# KiCad board panel.kicad_pcb (continued)
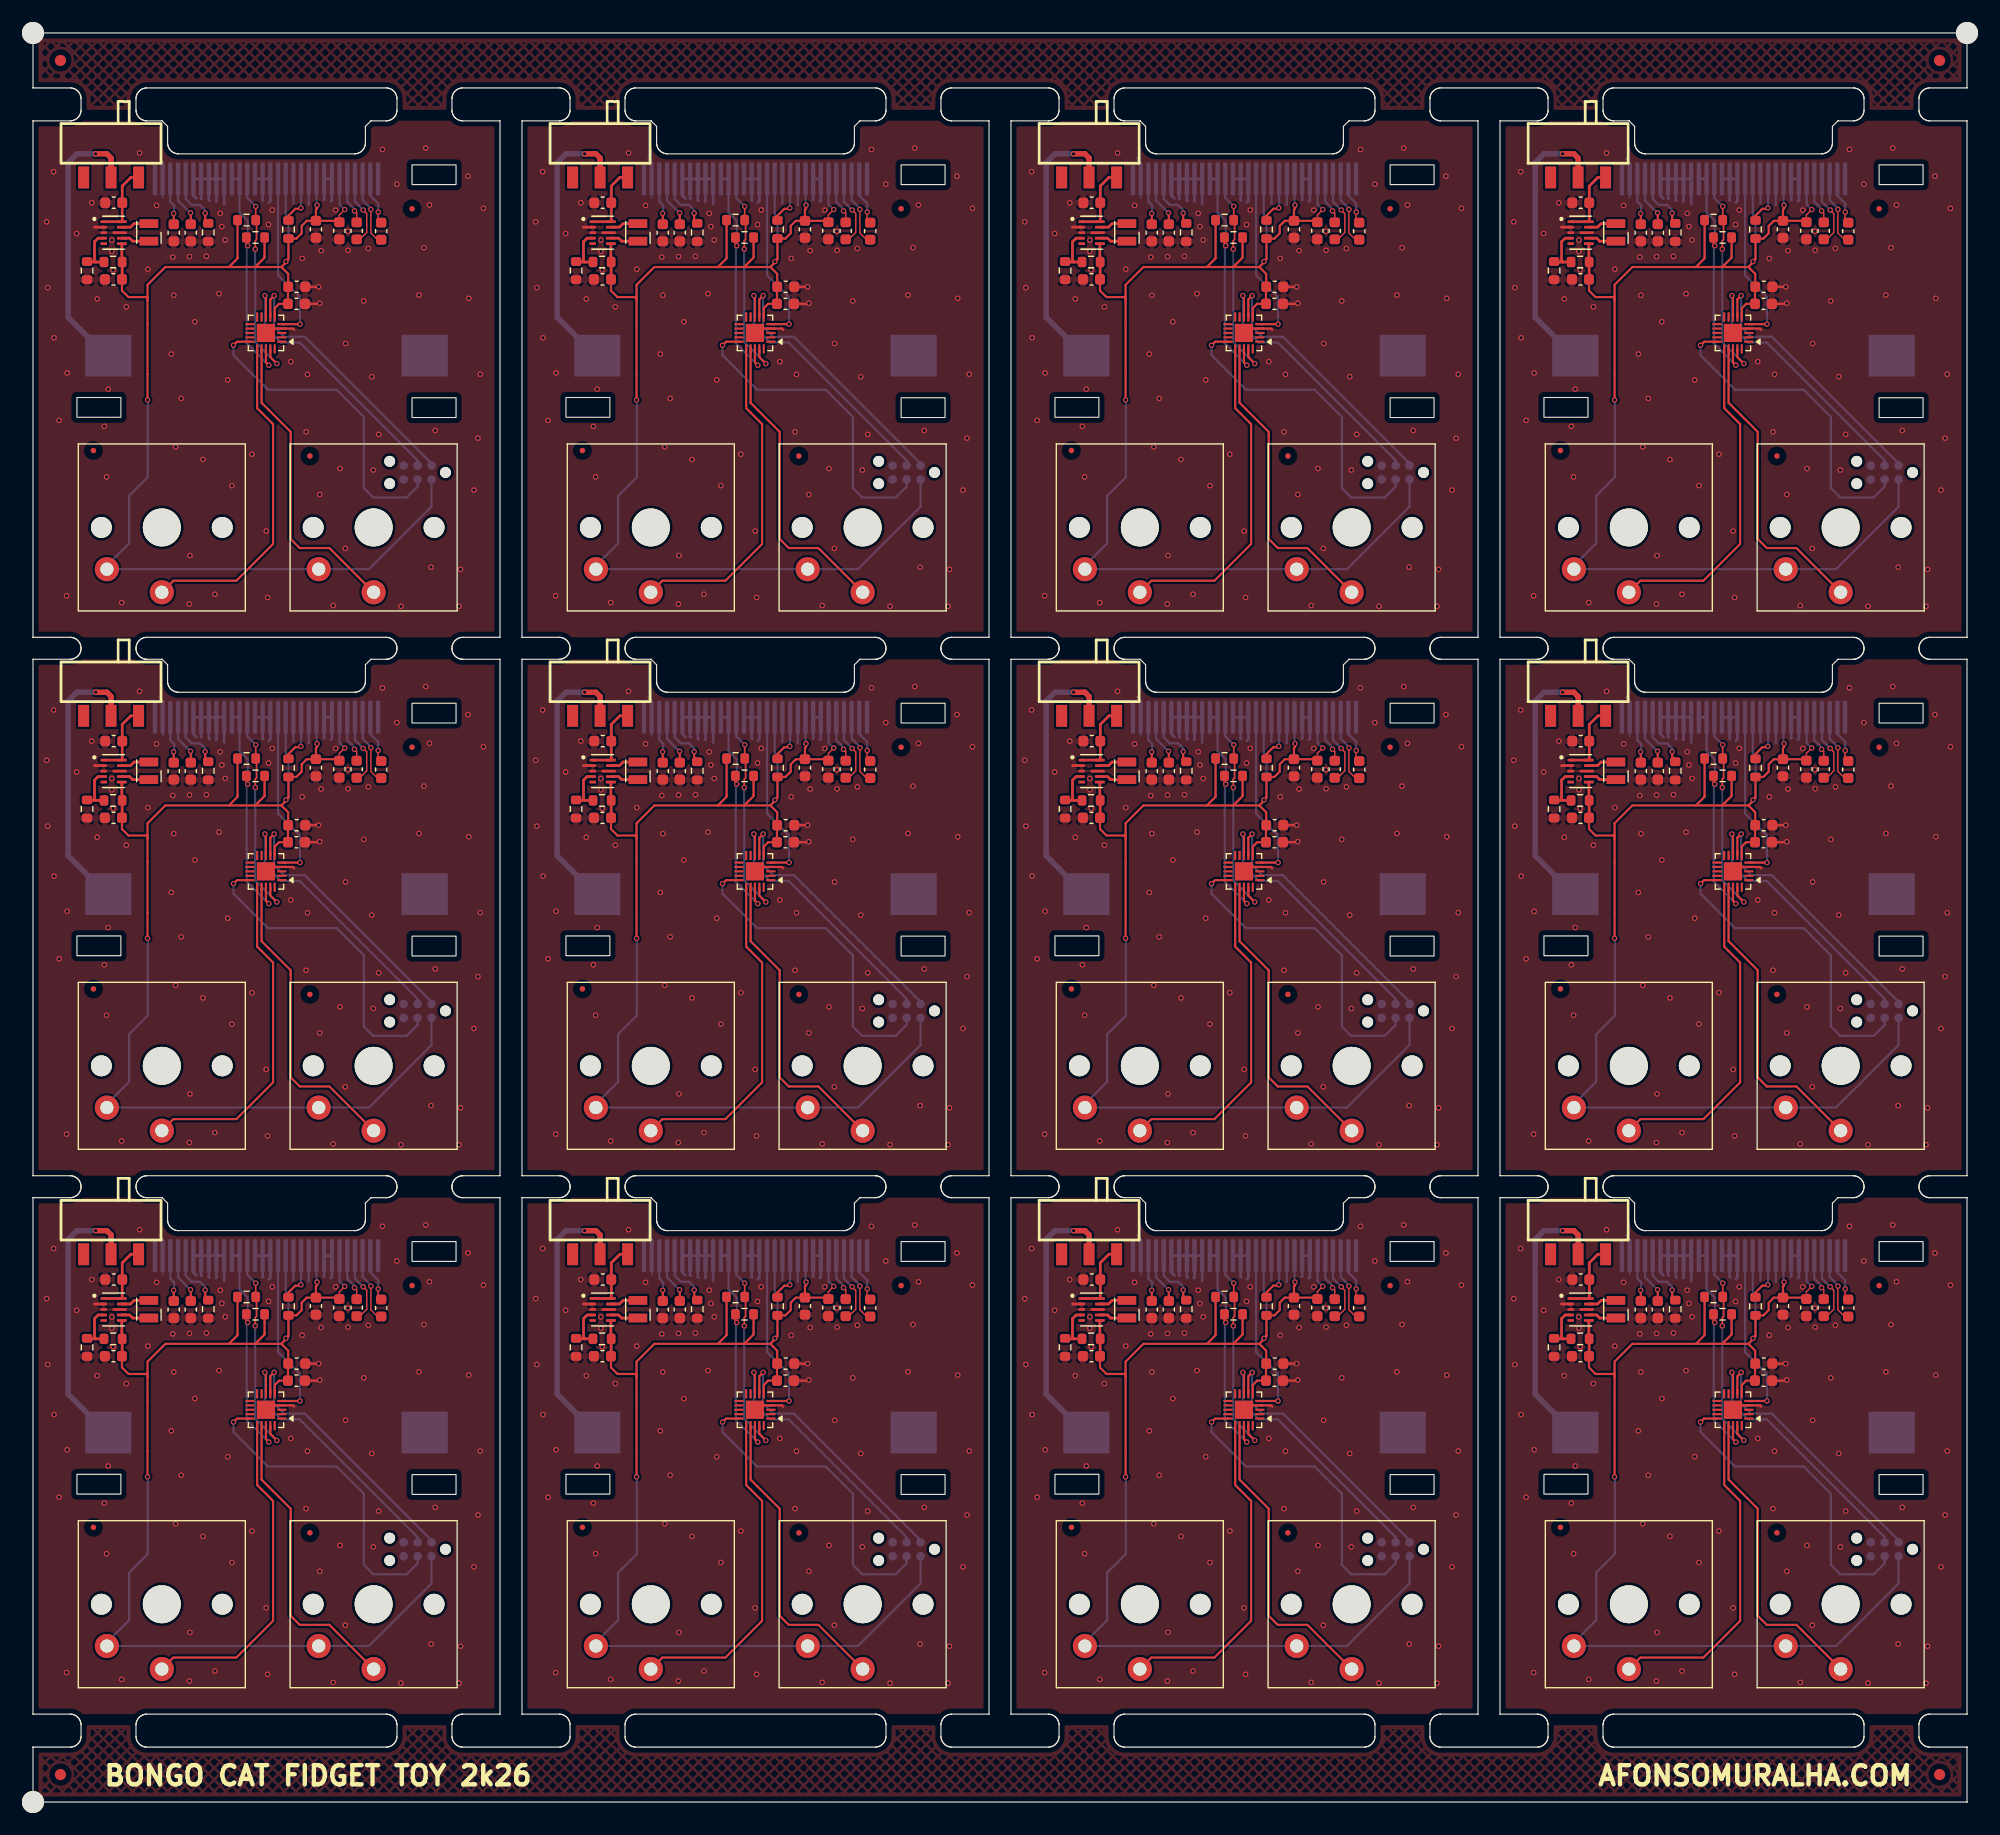
[diagram p0: board, top side]
## Placement (name value [footprint] x y rotation side) (continued)
SW2#4  SW_Push  [SW_Kailh_Choc_V1_1.00u]  75.5 18 180 top
SW2#5  SW_Push  [SW_Kailh_Choc_V1_1.00u]  120 116 180 top
SW2#6  SW_Push  [SW_Kailh_Choc_V1_1.00u]  120 67 180 top
SW2#7  SW_Push  [SW_Kailh_Choc_V1_1.00u]  75.5 116 180 top
SW2#8  SW_Push  [SW_Kailh_Choc_V1_1.00u]  31 67 180 top
SW2#9  SW_Push  [SW_Kailh_Choc_V1_1.00u]  164.5 116 180 top
SW2#10  SW_Push  [SW_Kailh_Choc_V1_1.00u]  31 116 180 top
SW2#11  SW_Push  [SW_Kailh_Choc_V1_1.00u]  120 18 180 top
SW2#12  SW_Push  [SW_Kailh_Choc_V1_1.00u]  164.5 18 180 top
SW5  SW_SPDT_321  [SW-SMD_SK-3245S-L1-A-1]  51.61 147.85 0 top
SW5#2  SW_SPDT_321  [SW-SMD_SK-3245S-L1-A-1]  96.11 49.85 0 top
SW5#3  SW_SPDT_321  [SW-SMD_SK-3245S-L1-A-1]  51.61 49.85 0 top
SW5#4  SW_SPDT_321  [SW-SMD_SK-3245S-L1-A-1]  7.11 49.85 0 top
SW5#5  SW_SPDT_321  [SW-SMD_SK-3245S-L1-A-1]  140.61 147.85 0 top
SW5#6  SW_SPDT_321  [SW-SMD_SK-3245S-L1-A-1]  96.11 98.85 0 top
SW5#7  SW_SPDT_321  [SW-SMD_SK-3245S-L1-A-1]  140.61 49.85 0 top
SW5#8  SW_SPDT_321  [SW-SMD_SK-3245S-L1-A-1]  51.61 98.85 0 top
SW5#9  SW_SPDT_321  [SW-SMD_SK-3245S-L1-A-1]  7.11 147.85 0 top
SW5#10  SW_SPDT_321  [SW-SMD_SK-3245S-L1-A-1]  140.61 98.85 0 top
SW5#11  SW_SPDT_321  [SW-SMD_SK-3245S-L1-A-1]  7.11 98.85 0 top
SW5#12  SW_SPDT_321  [SW-SMD_SK-3245S-L1-A-1]  96.11 147.85 0 top
U2  PY32F003F1xU  [QFN-20-1EP_3x3mm_P0.4mm_EP1.65x1.65mm]  154.7 84.7 180 top
U2#2  PY32F003F1xU  [QFN-20-1EP_3x3mm_P0.4mm_EP1.65x1.65mm]  110.2 35.7 180 top
U2#3  PY32F003F1xU  [QFN-20-1EP_3x3mm_P0.4mm_EP1.65x1.65mm]  21.2 84.7 180 top
U2#4  PY32F003F1xU  [QFN-20-1EP_3x3mm_P0.4mm_EP1.65x1.65mm]  110.2 133.7 180 top
U2#5  PY32F003F1xU  [QFN-20-1EP_3x3mm_P0.4mm_EP1.65x1.65mm]  21.2 133.7 180 top
U2#6  PY32F003F1xU  [QFN-20-1EP_3x3mm_P0.4mm_EP1.65x1.65mm]  21.2 35.7 180 top
U2#7  PY32F003F1xU  [QFN-20-1EP_3x3mm_P0.4mm_EP1.65x1.65mm]  110.2 84.7 180 top
U2#8  PY32F003F1xU  [QFN-20-1EP_3x3mm_P0.4mm_EP1.65x1.65mm]  65.7 133.7 180 top
U2#9  PY32F003F1xU  [QFN-20-1EP_3x3mm_P0.4mm_EP1.65x1.65mm]  154.7 133.7 180 top
U2#10  PY32F003F1xU  [QFN-20-1EP_3x3mm_P0.4mm_EP1.65x1.65mm]  154.7 35.7 180 top
U2#11  PY32F003F1xU  [QFN-20-1EP_3x3mm_P0.4mm_EP1.65x1.65mm]  65.7 35.7 180 top
U2#12  PY32F003F1xU  [QFN-20-1EP_3x3mm_P0.4mm_EP1.65x1.65mm]  65.7 84.7 180 top
U101  TPS63802DLAR  [VREG_TPS63802DLAR]  96.34 93.83 0 top
U101#2  TPS63802DLAR  [VREG_TPS63802DLAR]  51.84 44.83 0 top
U101#3  TPS63802DLAR  [VREG_TPS63802DLAR]  7.34 93.83 0 top
U101#4  TPS63802DLAR  [VREG_TPS63802DLAR]  51.84 142.83 0 top
U101#5  TPS63802DLAR  [VREG_TPS63802DLAR]  96.34 142.83 0 top
U101#6  TPS63802DLAR  [VREG_TPS63802DLAR]  51.84 93.83 0 top
U101#7  TPS63802DLAR  [VREG_TPS63802DLAR]  96.34 44.83 0 top
U101#8  TPS63802DLAR  [VREG_TPS63802DLAR]  140.84 142.83 0 top
U101#9  TPS63802DLAR  [VREG_TPS63802DLAR]  7.34 44.83 0 top
U101#10  TPS63802DLAR  [VREG_TPS63802DLAR]  140.84 44.83 0 top
U101#11  TPS63802DLAR  [VREG_TPS63802DLAR]  140.84 93.83 0 top
U101#12  TPS63802DLAR  [VREG_TPS63802DLAR]  7.34 142.83 0 top

## Library data of the parts
BT1 BT1#2-BT1#12 = -: Description: Multiple-cell battery; LCSC: C70377
C1 C1#2-C1#12 C2 C2#2-C2#12 = -: KiLib_Generator: SMD_2terminal_chip_molded; LCSC: C59461; ki_fp_filters: C_*
C3 C3#2-C3#12 = -: KiLib_Generator: C30926; ki_fp_filters: C_*
C4 C4#2-C4#12 C12 C12#2-C12#12 = -: KiLib_Generator: SMD_2terminal_chip_molded; LCSC: C1705; ki_fp_filters: C_*
C8 C8#2-C8#12 C9 C9#2-C9#12 C10 C10#2-C10#12 C11 C11#2-C11#12 C13 C13#2-C13#12 = -: KiLib_Generator: C23630; ki_fp_filters: C_*
FID1 FID1#2-FID1#12 FID2 FID2#2-FID2#12 FID3 FID3#2-FID3#12 = -: Description: Fiducial Marker; KiLib_Generator: fiducial; ki_fp_filters: Fiducial*
J1 J1#2-J1#12 = -: ki_fp_filters: Connector*:*_1x??_*
J4 J4#2-J4#12 = -: Datasheet: https://www.tag-connect.com/wp-content/uploads/bsk-pdf-manager/TC2030-CTX_1.pdf; Description: Tag-Connect ARM Cortex SWD JTAG connector, 6 pin, no legs; ki_fp_filters: *TC2030*
L102 L102#2-L102#12 = -: Description: Inductor; LCSC: C89446; ki_fp_filters: Choke_* *Coil* Inductor_* L_*
R4 R4#2-R4#12 R101 R101#2-R101#12 = -: Description: Resistor, small US symbol; KiLib_Generator: C326721; ki_fp_filters: R_*
R6 R6#2-R6#12 = -: Description: Resistor, small US symbol; KiLib_Generator: C2684557; ki_fp_filters: R_*
R11 R11#2-R11#12 = -: Description: Resistor, small US symbol; KiLib_Generator: C23150; ki_fp_filters: R_*
R12 R12#2-R12#12 R13 R13#2-R13#12 = -: Description: Resistor, small US symbol; KiLib_Generator: C23162; ki_fp_filters: R_*
SW1 SW1#2-SW1#12 SW2 SW2#2-SW2#12 = -: Description: Push button switch, generic, two pins
SW5 SW5#2-SW5#12 = -: Description: Switch, single pole double throw; LCSC: C405951
U2 U2#2-U2#12 = -: Description: Puya PY32 F003 ARM Cortex-M0+ MCU 32MHZ 8K+64K 1.7V-5.5V QFN20; KiLib_Generator: package/no_lead; LCSC: C3018714
U101 U101#2-U101#12 = -: MF: Texas Instruments; MAXIMUM_PACKAGE_HEIGHT: 1.0 mm; Package: VSON-HR-10 Texas Instruments; Price: None; Check_prices: https://www.snapeda.com/parts/TPS63802DLAR/Texas+Instruments/view-part/?ref=eda; STANDARD: Manufacturer Recommendations; PARTREV: B; SnapEDA_Link: https://www.snapeda.com/parts/TPS63802DLAR/Texas+Instruments/view-part/?ref=snap; Purchase-URL: https://www.snapeda.com/api/url_track_click_mouser/?unipart_id=4449206&manufacturer=Texas Instruments&part_name=TPS63802DLAR&search_term=tps63802; Description_1: 2-A, high-efficient, 11-µA quiescent current buck-boost converter in QFN/DFN package; Availability: In Stock; MANUFACTURER: Texas Instruments; LCSC: C2845237

## Footprints (pads in the part's own frame, mm; a bottom-side part is the same pattern mirrored in y, then rotated)
BAT-TH_CR2032-BS-6-1
  rect 4.2x3.8 smd: 1(14.39,0) 2(-14.39,0)
C_0603_1608Metric
  rrect 0.9x0.95 smd: 1(-0.775,0) 2(0.775,0)
Fiducial
  round 1 smd: (0,0)
Fiducial_0.5mm_Mask1.5mm
  round 0.5 smd: (0,0)
L_Wurth_WE-LQSH-2010
  rect 0.8x1.7 smd: 1(-0.8,0) 2(0.8,0)
NPTH
  round 2 hole 2 unplated: (0,0)
QFN-20-1EP_3x3mm_P0.4mm_EP1.65x1.65mm
  rrect 0.67x0.67 smd: (-0.41,0.41) (-0.41,-0.41) (0.41,0.41) (0.41,-0.41)
  rrect 0.85x0.2 smd: 1(-1.45,0.8) 2(-1.45,0.4) 3(-1.45,0) 4(-1.45,-0.4) 5(-1.45,-0.8) 11(1.45,-0.8) 12(1.45,-0.4) 13(1.45,0) 14(1.45,0.4) 15(1.45,0.8)
  rrect 0.2x0.85 smd: 6(-0.8,-1.45) 7(-0.4,-1.45) 8(0,-1.45) 9(0.4,-1.45) 10(0.8,-1.45) 16(0.8,1.45) 17(0.4,1.45) 18(0,1.45) 19(-0.4,1.45) 20(-0.8,1.45)
  rect 1.65x1.65 smd: 21(0,0)
R_0603_1608Metric
  rrect 0.8x0.95 smd: 1(-0.825,0) 2(0.825,0)
sh1106-1.3inch-oled_small
  rrect 0.4x3 smd: 1(-10.15,0) 2(-9.45,0) 3(-8.75,0) 4(-8.05,0) 5(-7.35,0) 6(-6.65,0) 7(-5.95,0) 8(-5.25,0) 9(-4.55,0) 10(-3.85,0) 11(-3.15,0) 12(-2.45,0) 13(-1.75,0) 14(-1.05,0) 15(-0.35,0) 16(0.35,0) 17(1.05,0) 18(1.75,0) 19(2.45,0) 20(3.15,0) 21(3.85,0) 22(4.55,0) 23(5.25,0) 24(5.95,0) 25(6.65,0) 26(7.35,0) 27(8.05,0) 28(8.75,0) 29(9.45,0) 30(10.15,0)
SW-SMD_SK-3245S-L1-A-1
  rect 1x2 smd: 1(-2.5,0) 2(0,0) 3(2.5,0)
SW_Kailh_Choc_V1_1.00u
  round 1.9 hole 1.9 unplated: (-5.5,0) (5.5,0)
  round 3.45 hole 3.45 unplated: (0,0)
  round 2.2 hole 1.2: 1(0,5.9) 2(5,3.8)
Tag-Connect_TC2030-IDC-NL_2x03_P1.27mm_Vertical
  round 0.991 hole 0.991 unplated: (-2.54,0) (2.54,-1.016) (2.54,1.016)
  round 0.787 smd: 1(-1.27,-0.635) 2(-1.27,0.635) 3(0,-0.635) 4(0,0.635) 5(1.27,-0.635) 6(1.27,0.635)
VREG_TPS63802DLAR
  rrect 0.6x0.25 smd: 1(-0.9,1) 2(-0.9,0.5) 3(-0.9,0) 4(-0.9,-0.5) 5(-0.9,-1)
  rrect 0.9x0.25 smd: 6(0.75,-1) 7(0.75,-0.5) 9(0.75,0.5) 10(0.75,1)
  rrect 1.3x0.25 smd: 8(0.55,0)

## Nets
Board_0-3V3: C2#11.1 C3#9.1 C4#12.1 C10#7.2 C11#8.2 J1#10.6 J1#10.9 J1#10.13 J4#12.1 R6#4.1 R12#6.2 R13#3.2 R101#3.2 SW1.2 SW2#10.2 U2#5.6 U101#12.6
Board_0-/BS1: J1#10.11 R101#3.1
Board_0-/OLED_RST: J1#10.14 U2#5.5
Board_0-/RST: J4#12.3 U2#5.15
Board_0-/SCL: J1#10.18 R13#3.1 U2#5.19
Board_0-/SDA: J1#10.19 J1#10.20 R12#6.1 U2#5.18
Board_0-/SW1: SW1.1 U2#5.16
Board_0-/SW2: SW2#10.1 U2#5.17
Board_0-/SWCLK: J4#12.4 U2#5.8
Board_0-/SWDIO: J4#12.2 U2#5.7
Board_0-GND: BT1#11.2 C1#7.2 C2#11.2 C3#9.2 C4#12.2 C10#7.1 C11#8.1 C12#11.1 C13#12.1 J1#10.7 J1#10.8 J1#10.10 J1#10.12 J1#10.15 J1#10.16 J1#10.17 J1#10.21 J1#10.22 J1#10.23 J1#10.24 J1#10.25 J1#10.29 J1#10.30 J4#12.5 R4#6.2 R11#2.1 U2#5.4 U2#5.21 U101#12.2 U101#12.3 U101#12.8
Board_0-Net-(BT1-+): BT1#11.1 SW5#9.2
Board_0-Net-(J1-Pin_2): C9#9.2 J1#10.2
Board_0-Net-(J1-Pin_3): C9#9.1 J1#10.3
Board_0-Net-(J1-Pin_4): C8#3.2 J1#10.4
Board_0-Net-(J1-Pin_5): C8#3.1 J1#10.5
Board_0-Net-(J1-Pin_26): J1#10.26 R11#2.2
Board_0-Net-(J1-Pin_27): C12#11.2 J1#10.27
Board_0-Net-(J1-Pin_28): C13#12.2 J1#10.28
Board_0-Net-(SW5-A): C1#7.1 SW5#9.3 U101#12.1 U101#12.10
Board_0-Net-(U101-FB): R4#6.1 R6#4.2 U101#12.4
Board_0-Net-(U101-L1): L102#10.1 U101#12.9
Board_0-Net-(U101-L2): L102#10.2 U101#12.7
Board_0-unconnected-(J1-Pin_1-Pad1): J1#10.1
Board_0-unconnected-(J4-SWO-Pad6): J4#12.6
Board_0-unconnected-(SW5-C-Pad1): SW5#9.1
Board_0-unconnected-(U2-PA4-Pad20): U2#5.20
Board_0-unconnected-(U2-PA5-Pad1): U2#5.1
Board_0-unconnected-(U2-PA6-Pad2): U2#5.2
Board_0-unconnected-(U2-PA7-Pad3): U2#5.3
Board_0-unconnected-(U2-PB5-Pad9): U2#5.9
Board_0-unconnected-(U2-PB6-Pad10): U2#5.10
Board_0-unconnected-(U2-PB7-Pad11): U2#5.11
Board_0-unconnected-(U2-PF0/OSCIN-Pad13): U2#5.13
Board_0-unconnected-(U2-PF1/OSCOUT-Pad14): U2#5.14
Board_0-unconnected-(U2-PF4/BOOT0-Pad12): U2#5.12
Board_0-unconnected-(U101-PG-Pad5): U101#12.5
Board_1-3V3: C2#3.1 C3#8.1 C4#5.1 C10#11.2 C11#12.2 J1#12.6 J1#12.9 J1#12.13 J4#2.1 R6#9.1 R12#2.2 R13.2 R101#6.2 SW1#2.2 SW2#7.2 U2#8.6 U101#4.6
Board_1-/BS1: J1#12.11 R101#6.1
Board_1-/OLED_RST: J1#12.14 U2#8.5
Board_1-/RST: J4#2.3 U2#8.15
Board_1-/SCL: J1#12.18 R13.1 U2#8.19
Board_1-/SDA: J1#12.19 J1#12.20 R12#2.1 U2#8.18
Board_1-/SW1: SW1#2.1 U2#8.16
Board_1-/SW2: SW2#7.1 U2#8.17
Board_1-/SWCLK: J4#2.4 U2#8.8
Board_1-/SWDIO: J4#2.2 U2#8.7
Board_1-GND: BT1#4.2 C1#12.2 C2#3.2 C3#8.2 C4#5.2 C10#11.1 C11#12.1 C12#7.1 C13.1 J1#12.7 J1#12.8 J1#12.10 J1#12.12 J1#12.15 J1#12.16 J1#12.17 J1#12.21 J1#12.22 J1#12.23 J1#12.24 J1#12.25 J1#12.29 J1#12.30 J4#2.5 R4#5.2 R11#4.1 U2#8.4 U2#8.21 U101#4.2 U101#4.3 U101#4.8
Board_1-Net-(BT1-+): BT1#4.1 SW5.2
Board_1-Net-(J1-Pin_2): C9.2 J1#12.2
Board_1-Net-(J1-Pin_3): C9.1 J1#12.3
Board_1-Net-(J1-Pin_4): C8#7.2 J1#12.4
Board_1-Net-(J1-Pin_5): C8#7.1 J1#12.5
Board_1-Net-(J1-Pin_26): J1#12.26 R11#4.2
Board_1-Net-(J1-Pin_27): C12#7.2 J1#12.27
Board_1-Net-(J1-Pin_28): C13.2 J1#12.28
Board_1-Net-(SW5-A): C1#12.1 SW5.3 U101#4.1 U101#4.10
Board_1-Net-(U101-FB): R4#5.1 R6#9.2 U101#4.4
Board_1-Net-(U101-L1): L102#6.1 U101#4.9
Board_1-Net-(U101-L2): L102#6.2 U101#4.7
Board_1-unconnected-(J1-Pin_1-Pad1): J1#12.1
Board_1-unconnected-(J4-SWO-Pad6): J4#2.6
Board_1-unconnected-(SW5-C-Pad1): SW5.1
Board_1-unconnected-(U2-PA4-Pad20): U2#8.20
Board_1-unconnected-(U2-PA5-Pad1): U2#8.1
Board_1-unconnected-(U2-PA6-Pad2): U2#8.2
Board_1-unconnected-(U2-PA7-Pad3): U2#8.3
Board_1-unconnected-(U2-PB5-Pad9): U2#8.9
Board_1-unconnected-(U2-PB6-Pad10): U2#8.10
Board_1-unconnected-(U2-PB7-Pad11): U2#8.11
Board_1-unconnected-(U2-PF0/OSCIN-Pad13): U2#8.13
Board_1-unconnected-(U2-PF1/OSCOUT-Pad14): U2#8.14
Board_1-unconnected-(U2-PF4/BOOT0-Pad12): U2#8.12
Board_1-unconnected-(U101-PG-Pad5): U101#4.5
Board_2-3V3: C2#10.1 C3#12.1 C4#10.1 C10#3.2 C11#7.2 J1#9.6 J1#9.9 J1#9.13 J4#9.1 R6#8.1 R12#12.2 R13#4.2 R101#12.2 SW1#9.2 SW2#5.2 U2#4.6 U101#5.6
Board_2-/BS1: J1#9.11 R101#12.1
Board_2-/OLED_RST: J1#9.14 U2#4.5
Board_2-/RST: J4#9.3 U2#4.15
Board_2-/SCL: J1#9.18 R13#4.1 U2#4.19
Board_2-/SDA: J1#9.19 J1#9.20 R12#12.1 U2#4.18
Board_2-/SW1: SW1#9.1 U2#4.16
Board_2-/SW2: SW2#5.1 U2#4.17
Board_2-/SWCLK: J4#9.4 U2#4.8
Board_2-/SWDIO: J4#9.2 U2#4.7
Board_2-GND: BT1#6.2 C1#2.2 C2#10.2 C3#12.2 C4#10.2 C10#3.1 C11#7.1 C12.1 C13#5.1 J1#9.7 J1#9.8 J1#9.10 J1#9.12 J1#9.15 J1#9.16 J1#9.17 J1#9.21 J1#9.22 J1#9.23 J1#9.24 J1#9.25 J1#9.29 J1#9.30 J4#9.5 R4#10.2 R11#7.1 U2#4.4 U2#4.21 U101#5.2 U101#5.3 U101#5.8
Board_2-Net-(BT1-+): BT1#6.1 SW5#12.2
Board_2-Net-(J1-Pin_2): C9#12.2 J1#9.2
Board_2-Net-(J1-Pin_3): C9#12.1 J1#9.3
Board_2-Net-(J1-Pin_4): C8#5.2 J1#9.4
Board_2-Net-(J1-Pin_5): C8#5.1 J1#9.5
Board_2-Net-(J1-Pin_26): J1#9.26 R11#7.2
Board_2-Net-(J1-Pin_27): C12.2 J1#9.27
Board_2-Net-(J1-Pin_28): C13#5.2 J1#9.28
Board_2-Net-(SW5-A): C1#2.1 SW5#12.3 U101#5.1 U101#5.10
Board_2-Net-(U101-FB): R4#10.1 R6#8.2 U101#5.4
Board_2-Net-(U101-L1): L102#3.1 U101#5.9
Board_2-Net-(U101-L2): L102#3.2 U101#5.7
Board_2-unconnected-(J1-Pin_1-Pad1): J1#9.1
Board_2-unconnected-(J4-SWO-Pad6): J4#9.6
Board_2-unconnected-(SW5-C-Pad1): SW5#12.1
Board_2-unconnected-(U2-PA4-Pad20): U2#4.20
Board_2-unconnected-(U2-PA5-Pad1): U2#4.1
Board_2-unconnected-(U2-PA6-Pad2): U2#4.2
Board_2-unconnected-(U2-PA7-Pad3): U2#4.3
Board_2-unconnected-(U2-PB5-Pad9): U2#4.9
Board_2-unconnected-(U2-PB6-Pad10): U2#4.10
Board_2-unconnected-(U2-PB7-Pad11): U2#4.11
Board_2-unconnected-(U2-PF0/OSCIN-Pad13): U2#4.13
Board_2-unconnected-(U2-PF1/OSCOUT-Pad14): U2#4.14
Board_2-unconnected-(U2-PF4/BOOT0-Pad12): U2#4.12
Board_2-unconnected-(U101-PG-Pad5): U101#5.5
Board_3-3V3: C2#8.1 C3#6.1 C4#9.1 C10#5.2 C11#4.2 J1#11.6 J1#11.9 J1#11.13 J4#10.1 R6.1 R12#4.2 R13#8.2 R101#9.2 SW1#4.2 SW2#9.2 U2#9.6 U101#8.6
Board_3-/BS1: J1#11.11 R101#9.1
Board_3-/OLED_RST: J1#11.14 U2#9.5
Board_3-/RST: J4#10.3 U2#9.15
Board_3-/SCL: J1#11.18 R13#8.1 U2#9.19
Board_3-/SDA: J1#11.19 J1#11.20 R12#4.1 U2#9.18
Board_3-/SW1: SW1#4.1 U2#9.16
Board_3-/SW2: SW2#9.1 U2#9.17
Board_3-/SWCLK: J4#10.4 U2#9.8
Board_3-/SWDIO: J4#10.2 U2#9.7
Board_3-GND: BT1#2.2 C1#8.2 C2#8.2 C3#6.2 C4#9.2 C10#5.1 C11#4.1 C12#9.1 C13#6.1 J1#11.7 J1#11.8 J1#11.10 J1#11.12 J1#11.15 J1#11.16 J1#11.17 J1#11.21 J1#11.22 J1#11.23 J1#11.24 J1#11.25 J1#11.29 J1#11.30 J4#10.5 R4.2 R11#10.1 U2#9.4 U2#9.21 U101#8.2 U101#8.3 U101#8.8
Board_3-Net-(BT1-+): BT1#2.1 SW5#5.2
Board_3-Net-(J1-Pin_2): C9#8.2 J1#11.2
Board_3-Net-(J1-Pin_3): C9#8.1 J1#11.3
Board_3-Net-(J1-Pin_4): C8#12.2 J1#11.4
Board_3-Net-(J1-Pin_5): C8#12.1 J1#11.5
Board_3-Net-(J1-Pin_26): J1#11.26 R11#10.2
Board_3-Net-(J1-Pin_27): C12#9.2 J1#11.27
Board_3-Net-(J1-Pin_28): C13#6.2 J1#11.28
Board_3-Net-(SW5-A): C1#8.1 SW5#5.3 U101#8.1 U101#8.10
Board_3-Net-(U101-FB): R4.1 R6.2 U101#8.4
Board_3-Net-(U101-L1): L102#11.1 U101#8.9
Board_3-Net-(U101-L2): L102#11.2 U101#8.7
Board_3-unconnected-(J1-Pin_1-Pad1): J1#11.1
Board_3-unconnected-(J4-SWO-Pad6): J4#10.6
Board_3-unconnected-(SW5-C-Pad1): SW5#5.1
Board_3-unconnected-(U2-PA4-Pad20): U2#9.20
Board_3-unconnected-(U2-PA5-Pad1): U2#9.1
Board_3-unconnected-(U2-PA6-Pad2): U2#9.2
Board_3-unconnected-(U2-PA7-Pad3): U2#9.3
Board_3-unconnected-(U2-PB5-Pad9): U2#9.9
Board_3-unconnected-(U2-PB6-Pad10): U2#9.10
Board_3-unconnected-(U2-PB7-Pad11): U2#9.11
Board_3-unconnected-(U2-PF0/OSCIN-Pad13): U2#9.13
Board_3-unconnected-(U2-PF1/OSCOUT-Pad14): U2#9.14
Board_3-unconnected-(U2-PF4/BOOT0-Pad12): U2#9.12
Board_3-unconnected-(U101-PG-Pad5): U101#8.5
Board_4-3V3: C2#7.1 C3.1 C4.1 C10#6.2 C11#2.2 J1#5.6 J1#5.9 J1#5.13 J4#11.1 R6#12.1 R12#8.2 R13#7.2 R101#2.2 SW1#8.2 SW2#8.2 U2#3.6 U101#3.6
Board_4-/BS1: J1#5.11 R101#2.1
Board_4-/OLED_RST: J1#5.14 U2#3.5
Board_4-/RST: J4#11.3 U2#3.15
Board_4-/SCL: J1#5.18 R13#7.1 U2#3.19
Board_4-/SDA: J1#5.19 J1#5.20 R12#8.1 U2#3.18
Board_4-/SW1: SW1#8.1 U2#3.16
Board_4-/SW2: SW2#8.1 U2#3.17
Board_4-/SWCLK: J4#11.4 U2#3.8
Board_4-/SWDIO: J4#11.2 U2#3.7
Board_4-GND: BT1#12.2 C1#5.2 C2#7.2 C3.2 C4.2 C10#6.1 C11#2.1 C12#4.1 C13#8.1 J1#5.7 J1#5.8 J1#5.10 J1#5.12 J1#5.15 J1#5.16 J1#5.17 J1#5.21 J1#5.22 J1#5.23 J1#5.24 J1#5.25 J1#5.29 J1#5.30 J4#11.5 R4#9.2 R11#8.1 U2#3.4 U2#3.21 U101#3.2 U101#3.3 U101#3.8
Board_4-Net-(BT1-+): BT1#12.1 SW5#11.2
Board_4-Net-(J1-Pin_2): C9#10.2 J1#5.2
Board_4-Net-(J1-Pin_3): C9#10.1 J1#5.3
Board_4-Net-(J1-Pin_4): C8#10.2 J1#5.4
Board_4-Net-(J1-Pin_5): C8#10.1 J1#5.5
Board_4-Net-(J1-Pin_26): J1#5.26 R11#8.2
Board_4-Net-(J1-Pin_27): C12#4.2 J1#5.27
Board_4-Net-(J1-Pin_28): C13#8.2 J1#5.28
Board_4-Net-(SW5-A): C1#5.1 SW5#11.3 U101#3.1 U101#3.10
Board_4-Net-(U101-FB): R4#9.1 R6#12.2 U101#3.4
Board_4-Net-(U101-L1): L102#8.1 U101#3.9
Board_4-Net-(U101-L2): L102#8.2 U101#3.7
Board_4-unconnected-(J1-Pin_1-Pad1): J1#5.1
Board_4-unconnected-(J4-SWO-Pad6): J4#11.6
Board_4-unconnected-(SW5-C-Pad1): SW5#11.1
Board_4-unconnected-(U2-PA4-Pad20): U2#3.20
Board_4-unconnected-(U2-PA5-Pad1): U2#3.1
Board_4-unconnected-(U2-PA6-Pad2): U2#3.2
Board_4-unconnected-(U2-PA7-Pad3): U2#3.3
Board_4-unconnected-(U2-PB5-Pad9): U2#3.9
Board_4-unconnected-(U2-PB6-Pad10): U2#3.10
Board_4-unconnected-(U2-PB7-Pad11): U2#3.11
Board_4-unconnected-(U2-PF0/OSCIN-Pad13): U2#3.13
Board_4-unconnected-(U2-PF1/OSCOUT-Pad14): U2#3.14
Board_4-unconnected-(U2-PF4/BOOT0-Pad12): U2#3.12
Board_4-unconnected-(U101-PG-Pad5): U101#3.5
Board_5-3V3: C2#6.1 C3#11.1 C4#11.1 C10#2.2 C11#11.2 J1#2.6 J1#2.9 J1#2.13 J4#3.1 R6#5.1 R12#10.2 R13#6.2 R101#11.2 SW1#5.2 SW2.2 U2#12.6 U101#6.6
Board_5-/BS1: J1#2.11 R101#11.1
Board_5-/OLED_RST: J1#2.14 U2#12.5
Board_5-/RST: J4#3.3 U2#12.15
Board_5-/SCL: J1#2.18 R13#6.1 U2#12.19
Board_5-/SDA: J1#2.19 J1#2.20 R12#10.1 U2#12.18
Board_5-/SW1: SW1#5.1 U2#12.16
Board_5-/SW2: SW2.1 U2#12.17
Board_5-/SWCLK: J4#3.4 U2#12.8
Board_5-/SWDIO: J4#3.2 U2#12.7
Board_5-GND: BT1.2 C1.2 C2#6.2 C3#11.2 C4#11.2 C10#2.1 C11#11.1 C12#2.1 C13#10.1 J1#2.7 J1#2.8 J1#2.10 J1#2.12 J1#2.15 J1#2.16 J1#2.17 J1#2.21 J1#2.22 J1#2.23 J1#2.24 J1#2.25 J1#2.29 J1#2.30 J4#3.5 R4#3.2 R11#5.1 U2#12.4 U2#12.21 U101#6.2 U101#6.3 U101#6.8
Board_5-Net-(BT1-+): BT1.1 SW5#8.2
Board_5-Net-(J1-Pin_2): C9#6.2 J1#2.2
Board_5-Net-(J1-Pin_3): C9#6.1 J1#2.3
Board_5-Net-(J1-Pin_4): C8#9.2 J1#2.4
Board_5-Net-(J1-Pin_5): C8#9.1 J1#2.5
Board_5-Net-(J1-Pin_26): J1#2.26 R11#5.2
Board_5-Net-(J1-Pin_27): C12#2.2 J1#2.27
Board_5-Net-(J1-Pin_28): C13#10.2 J1#2.28
Board_5-Net-(SW5-A): C1.1 SW5#8.3 U101#6.1 U101#6.10
Board_5-Net-(U101-FB): R4#3.1 R6#5.2 U101#6.4
Board_5-Net-(U101-L1): L102#7.1 U101#6.9
Board_5-Net-(U101-L2): L102#7.2 U101#6.7
Board_5-unconnected-(J1-Pin_1-Pad1): J1#2.1
Board_5-unconnected-(J4-SWO-Pad6): J4#3.6
Board_5-unconnected-(SW5-C-Pad1): SW5#8.1
Board_5-unconnected-(U2-PA4-Pad20): U2#12.20
Board_5-unconnected-(U2-PA5-Pad1): U2#12.1
Board_5-unconnected-(U2-PA6-Pad2): U2#12.2
Board_5-unconnected-(U2-PA7-Pad3): U2#12.3
Board_5-unconnected-(U2-PB5-Pad9): U2#12.9
Board_5-unconnected-(U2-PB6-Pad10): U2#12.10
Board_5-unconnected-(U2-PB7-Pad11): U2#12.11
Board_5-unconnected-(U2-PF0/OSCIN-Pad13): U2#12.13
Board_5-unconnected-(U2-PF1/OSCOUT-Pad14): U2#12.14
Board_5-unconnected-(U2-PF4/BOOT0-Pad12): U2#12.12
Board_5-unconnected-(U101-PG-Pad5): U101#6.5
Board_6-3V3: C2#2.1 C3#2.1 C4#3.1 C10.2 C11#10.2 J1.6 J1.9 J1.13 J4#6.1 R6#2.1 R12.2 R13#2.2 R101#4.2 SW1#6.2 SW2#6.2 U2#7.6 U101.6
Board_6-/BS1: J1.11 R101#4.1
Board_6-/OLED_RST: J1.14 U2#7.5
Board_6-/RST: J4#6.3 U2#7.15
Board_6-/SCL: J1.18 R13#2.1 U2#7.19
Board_6-/SDA: J1.19 J1.20 R12.1 U2#7.18
Board_6-/SW1: SW1#6.1 U2#7.16
Board_6-/SW2: SW2#6.1 U2#7.17
Board_6-/SWCLK: J4#6.4 U2#7.8
Board_6-/SWDIO: J4#6.2 U2#7.7
Board_6-GND: BT1#5.2 C1#4.2 C2#2.2 C3#2.2 C4#3.2 C10.1 C11#10.1 C12#5.1 C13#9.1 J1.7 J1.8 J1.10 J1.12 J1.15 J1.16 J1.17 J1.21 J1.22 J1.23 J1.24 J1.25 J1.29 J1.30 J4#6.5 R4#4.2 R11#12.1 U2#7.4 U2#7.21 U101.2 U101.3 U101.8
Board_6-Net-(BT1-+): BT1#5.1 SW5#6.2
Board_6-Net-(J1-Pin_2): C9#11.2 J1.2
Board_6-Net-(J1-Pin_3): C9#11.1 J1.3
Board_6-Net-(J1-Pin_4): C8#4.2 J1.4
Board_6-Net-(J1-Pin_5): C8#4.1 J1.5
Board_6-Net-(J1-Pin_26): J1.26 R11#12.2
Board_6-Net-(J1-Pin_27): C12#5.2 J1.27
Board_6-Net-(J1-Pin_28): C13#9.2 J1.28
Board_6-Net-(SW5-A): C1#4.1 SW5#6.3 U101.1 U101.10
Board_6-Net-(U101-FB): R4#4.1 R6#2.2 U101.4
Board_6-Net-(U101-L1): L102#5.1 U101.9
Board_6-Net-(U101-L2): L102#5.2 U101.7
Board_6-unconnected-(J1-Pin_1-Pad1): J1.1
Board_6-unconnected-(J4-SWO-Pad6): J4#6.6
Board_6-unconnected-(SW5-C-Pad1): SW5#6.1
Board_6-unconnected-(U2-PA4-Pad20): U2#7.20
Board_6-unconnected-(U2-PA5-Pad1): U2#7.1
Board_6-unconnected-(U2-PA6-Pad2): U2#7.2
Board_6-unconnected-(U2-PA7-Pad3): U2#7.3
Board_6-unconnected-(U2-PB5-Pad9): U2#7.9
Board_6-unconnected-(U2-PB6-Pad10): U2#7.10
Board_6-unconnected-(U2-PB7-Pad11): U2#7.11
Board_6-unconnected-(U2-PF0/OSCIN-Pad13): U2#7.13
Board_6-unconnected-(U2-PF1/OSCOUT-Pad14): U2#7.14
Board_6-unconnected-(U2-PF4/BOOT0-Pad12): U2#7.12
Board_6-unconnected-(U101-PG-Pad5): U101.5
Board_7-3V3: C2#4.1 C3#5.1 C4#4.1 C10#10.2 C11#6.2 J1#7.6 J1#7.9 J1#7.13 J4.1 R6#3.1 R12#9.2 R13#12.2 R101#5.2 SW1#11.2 SW2#3.2 U2.6 U101#11.6
Board_7-/BS1: J1#7.11 R101#5.1
Board_7-/OLED_RST: J1#7.14 U2.5
Board_7-/RST: J4.3 U2.15
Board_7-/SCL: J1#7.18 R13#12.1 U2.19
Board_7-/SDA: J1#7.19 J1#7.20 R12#9.1 U2.18
Board_7-/SW1: SW1#11.1 U2.16
Board_7-/SW2: SW2#3.1 U2.17
Board_7-/SWCLK: J4.4 U2.8
Board_7-/SWDIO: J4.2 U2.7
Board_7-GND: BT1#9.2 C1#9.2 C2#4.2 C3#5.2 C4#4.2 C10#10.1 C11#6.1 C12#6.1 C13#4.1 J1#7.7 J1#7.8 J1#7.10 J1#7.12 J1#7.15 J1#7.16 J1#7.17 J1#7.21 J1#7.22 J1#7.23 J1#7.24 J1#7.25 J1#7.29 J1#7.30 J4.5 R4#8.2 R11.1 U2.4 U2.21 U101#11.2 U101#11.3 U101#11.8
Board_7-Net-(BT1-+): BT1#9.1 SW5#10.2
Board_7-Net-(J1-Pin_2): C9#5.2 J1#7.2
Board_7-Net-(J1-Pin_3): C9#5.1 J1#7.3
Board_7-Net-(J1-Pin_4): C8.2 J1#7.4
Board_7-Net-(J1-Pin_5): C8.1 J1#7.5
Board_7-Net-(J1-Pin_26): J1#7.26 R11.2
Board_7-Net-(J1-Pin_27): C12#6.2 J1#7.27
Board_7-Net-(J1-Pin_28): C13#4.2 J1#7.28
Board_7-Net-(SW5-A): C1#9.1 SW5#10.3 U101#11.1 U101#11.10
Board_7-Net-(U101-FB): R4#8.1 R6#3.2 U101#11.4
Board_7-Net-(U101-L1): L102#9.1 U101#11.9
Board_7-Net-(U101-L2): L102#9.2 U101#11.7
Board_7-unconnected-(J1-Pin_1-Pad1): J1#7.1
Board_7-unconnected-(J4-SWO-Pad6): J4.6
Board_7-unconnected-(SW5-C-Pad1): SW5#10.1
Board_7-unconnected-(U2-PA4-Pad20): U2.20
Board_7-unconnected-(U2-PA5-Pad1): U2.1
Board_7-unconnected-(U2-PA6-Pad2): U2.2
Board_7-unconnected-(U2-PA7-Pad3): U2.3
Board_7-unconnected-(U2-PB5-Pad9): U2.9
Board_7-unconnected-(U2-PB6-Pad10): U2.10
Board_7-unconnected-(U2-PB7-Pad11): U2.11
Board_7-unconnected-(U2-PF0/OSCIN-Pad13): U2.13
Board_7-unconnected-(U2-PF1/OSCOUT-Pad14): U2.14
Board_7-unconnected-(U2-PF4/BOOT0-Pad12): U2.12
Board_7-unconnected-(U101-PG-Pad5): U101#11.5
Board_8-3V3: C2#5.1 C3#7.1 C4#6.1 C10#8.2 C11.2 J1#4.6 J1#4.9 J1#4.13 J4#4.1 R6#11.1 R12#7.2 R13#11.2 R101#8.2 SW1#3.2 SW2#2.2 U2#6.6 U101#9.6
Board_8-/BS1: J1#4.11 R101#8.1
Board_8-/OLED_RST: J1#4.14 U2#6.5
Board_8-/RST: J4#4.3 U2#6.15
Board_8-/SCL: J1#4.18 R13#11.1 U2#6.19
Board_8-/SDA: J1#4.19 J1#4.20 R12#7.1 U2#6.18
Board_8-/SW1: SW1#3.1 U2#6.16
Board_8-/SW2: SW2#2.1 U2#6.17
Board_8-/SWCLK: J4#4.4 U2#6.8
Board_8-/SWDIO: J4#4.2 U2#6.7
Board_8-GND: BT1#3.2 C1#10.2 C2#5.2 C3#7.2 C4#6.2 C10#8.1 C11.1 C12#10.1 C13#2.1 J1#4.7 J1#4.8 J1#4.10 J1#4.12 J1#4.15 J1#4.16 J1#4.17 J1#4.21 J1#4.22 J1#4.23 J1#4.24 J1#4.25 J1#4.29 J1#4.30 J4#4.5 R4#2.2 R11#3.1 U2#6.4 U2#6.21 U101#9.2 U101#9.3 U101#9.8
Board_8-Net-(BT1-+): BT1#3.1 SW5#4.2
Board_8-Net-(J1-Pin_2): C9#4.2 J1#4.2
Board_8-Net-(J1-Pin_3): C9#4.1 J1#4.3
Board_8-Net-(J1-Pin_4): C8#6.2 J1#4.4
Board_8-Net-(J1-Pin_5): C8#6.1 J1#4.5
Board_8-Net-(J1-Pin_26): J1#4.26 R11#3.2
Board_8-Net-(J1-Pin_27): C12#10.2 J1#4.27
Board_8-Net-(J1-Pin_28): C13#2.2 J1#4.28
Board_8-Net-(SW5-A): C1#10.1 SW5#4.3 U101#9.1 U101#9.10
Board_8-Net-(U101-FB): R4#2.1 R6#11.2 U101#9.4
Board_8-Net-(U101-L1): L102#2.1 U101#9.9
Board_8-Net-(U101-L2): L102#2.2 U101#9.7
Board_8-unconnected-(J1-Pin_1-Pad1): J1#4.1
Board_8-unconnected-(J4-SWO-Pad6): J4#4.6
Board_8-unconnected-(SW5-C-Pad1): SW5#4.1
Board_8-unconnected-(U2-PA4-Pad20): U2#6.20
Board_8-unconnected-(U2-PA5-Pad1): U2#6.1
Board_8-unconnected-(U2-PA6-Pad2): U2#6.2
Board_8-unconnected-(U2-PA7-Pad3): U2#6.3
Board_8-unconnected-(U2-PB5-Pad9): U2#6.9
Board_8-unconnected-(U2-PB6-Pad10): U2#6.10
Board_8-unconnected-(U2-PB7-Pad11): U2#6.11
Board_8-unconnected-(U2-PF0/OSCIN-Pad13): U2#6.13
Board_8-unconnected-(U2-PF1/OSCOUT-Pad14): U2#6.14
Board_8-unconnected-(U2-PF4/BOOT0-Pad12): U2#6.12
Board_8-unconnected-(U101-PG-Pad5): U101#9.5
Board_9-3V3: C2#9.1 C3#4.1 C4#2.1 C10#4.2 C11#5.2 J1#6.6 J1#6.9 J1#6.13 J4#8.1 R6#10.1 R12#5.2 R13#9.2 R101.2 SW1#7.2 SW2#4.2 U2#11.6 U101#2.6
Board_9-/BS1: J1#6.11 R101.1
Board_9-/OLED_RST: J1#6.14 U2#11.5
Board_9-/RST: J4#8.3 U2#11.15
Board_9-/SCL: J1#6.18 R13#9.1 U2#11.19
Board_9-/SDA: J1#6.19 J1#6.20 R12#5.1 U2#11.18
Board_9-/SW1: SW1#7.1 U2#11.16
Board_9-/SW2: SW2#4.1 U2#11.17
Board_9-/SWCLK: J4#8.4 U2#11.8
Board_9-/SWDIO: J4#8.2 U2#11.7
Board_9-GND: BT1#8.2 C1#3.2 C2#9.2 C3#4.2 C4#2.2 C10#4.1 C11#5.1 C12#3.1 C13#11.1 J1#6.7 J1#6.8 J1#6.10 J1#6.12 J1#6.15 J1#6.16 J1#6.17 J1#6.21 J1#6.22 J1#6.23 J1#6.24 J1#6.25 J1#6.29 J1#6.30 J4#8.5 R4#11.2 R11#9.1 U2#11.4 U2#11.21 U101#2.2 U101#2.3 U101#2.8
Board_9-Net-(BT1-+): BT1#8.1 SW5#3.2
Board_9-Net-(J1-Pin_2): C9#2.2 J1#6.2
Board_9-Net-(J1-Pin_3): C9#2.1 J1#6.3
Board_9-Net-(J1-Pin_4): C8#11.2 J1#6.4
Board_9-Net-(J1-Pin_5): C8#11.1 J1#6.5
Board_9-Net-(J1-Pin_26): J1#6.26 R11#9.2
Board_9-Net-(J1-Pin_27): C12#3.2 J1#6.27
Board_9-Net-(J1-Pin_28): C13#11.2 J1#6.28
Board_9-Net-(SW5-A): C1#3.1 SW5#3.3 U101#2.1 U101#2.10
Board_9-Net-(U101-FB): R4#11.1 R6#10.2 U101#2.4
Board_9-Net-(U101-L1): L102#12.1 U101#2.9
Board_9-Net-(U101-L2): L102#12.2 U101#2.7
Board_9-unconnected-(J1-Pin_1-Pad1): J1#6.1
Board_9-unconnected-(J4-SWO-Pad6): J4#8.6
Board_9-unconnected-(SW5-C-Pad1): SW5#3.1
Board_9-unconnected-(U2-PA4-Pad20): U2#11.20
Board_9-unconnected-(U2-PA5-Pad1): U2#11.1
Board_9-unconnected-(U2-PA6-Pad2): U2#11.2
Board_9-unconnected-(U2-PA7-Pad3): U2#11.3
Board_9-unconnected-(U2-PB5-Pad9): U2#11.9
Board_9-unconnected-(U2-PB6-Pad10): U2#11.10
Board_9-unconnected-(U2-PB7-Pad11): U2#11.11
Board_9-unconnected-(U2-PF0/OSCIN-Pad13): U2#11.13
Board_9-unconnected-(U2-PF1/OSCOUT-Pad14): U2#11.14
Board_9-unconnected-(U2-PF4/BOOT0-Pad12): U2#11.12
Board_9-unconnected-(U101-PG-Pad5): U101#2.5
Board_10-3V3: C2.1 C3#10.1 C4#8.1 C10#12.2 C11#9.2 J1#8.6 J1#8.9 J1#8.13 J4#5.1 R6#7.1 R12#3.2 R13#10.2 R101#10.2 SW1#12.2 SW2#11.2 U2#2.6 U101#7.6
Board_10-/BS1: J1#8.11 R101#10.1
Board_10-/OLED_RST: J1#8.14 U2#2.5
Board_10-/RST: J4#5.3 U2#2.15
Board_10-/SCL: J1#8.18 R13#10.1 U2#2.19
Board_10-/SDA: J1#8.19 J1#8.20 R12#3.1 U2#2.18
Board_10-/SW1: SW1#12.1 U2#2.16
Board_10-/SW2: SW2#11.1 U2#2.17
Board_10-/SWCLK: J4#5.4 U2#2.8
Board_10-/SWDIO: J4#5.2 U2#2.7
Board_10-GND: BT1#10.2 C1#11.2 C2.2 C3#10.2 C4#8.2 C10#12.1 C11#9.1 C12#8.1 C13#7.1 J1#8.7 J1#8.8 J1#8.10 J1#8.12 J1#8.15 J1#8.16 J1#8.17 J1#8.21 J1#8.22 J1#8.23 J1#8.24 J1#8.25 J1#8.29 J1#8.30 J4#5.5 R4#12.2 R11#6.1 U2#2.4 U2#2.21 U101#7.2 U101#7.3 U101#7.8
Board_10-Net-(BT1-+): BT1#10.1 SW5#2.2
Board_10-Net-(J1-Pin_2): C9#3.2 J1#8.2
Board_10-Net-(J1-Pin_3): C9#3.1 J1#8.3
Board_10-Net-(J1-Pin_4): C8#8.2 J1#8.4
Board_10-Net-(J1-Pin_5): C8#8.1 J1#8.5
Board_10-Net-(J1-Pin_26): J1#8.26 R11#6.2
Board_10-Net-(J1-Pin_27): C12#8.2 J1#8.27
Board_10-Net-(J1-Pin_28): C13#7.2 J1#8.28
Board_10-Net-(SW5-A): C1#11.1 SW5#2.3 U101#7.1 U101#7.10
Board_10-Net-(U101-FB): R4#12.1 R6#7.2 U101#7.4
Board_10-Net-(U101-L1): L102#4.1 U101#7.9
Board_10-Net-(U101-L2): L102#4.2 U101#7.7
Board_10-unconnected-(J1-Pin_1-Pad1): J1#8.1
Board_10-unconnected-(J4-SWO-Pad6): J4#5.6
Board_10-unconnected-(SW5-C-Pad1): SW5#2.1
Board_10-unconnected-(U2-PA4-Pad20): U2#2.20
Board_10-unconnected-(U2-PA5-Pad1): U2#2.1
Board_10-unconnected-(U2-PA6-Pad2): U2#2.2
Board_10-unconnected-(U2-PA7-Pad3): U2#2.3
Board_10-unconnected-(U2-PB5-Pad9): U2#2.9
Board_10-unconnected-(U2-PB6-Pad10): U2#2.10
Board_10-unconnected-(U2-PB7-Pad11): U2#2.11
Board_10-unconnected-(U2-PF0/OSCIN-Pad13): U2#2.13
Board_10-unconnected-(U2-PF1/OSCOUT-Pad14): U2#2.14
Board_10-unconnected-(U2-PF4/BOOT0-Pad12): U2#2.12
Board_10-unconnected-(U101-PG-Pad5): U101#7.5
Board_11-3V3: C2#12.1 C3#3.1 C4#7.1 C10#9.2 C11#3.2 J1#3.6 J1#3.9 J1#3.13 J4#7.1 R6#6.1 R12#11.2 R13#5.2 R101#7.2 SW1#10.2 SW2#12.2 U2#10.6 U101#10.6
Board_11-/BS1: J1#3.11 R101#7.1
Board_11-/OLED_RST: J1#3.14 U2#10.5
Board_11-/RST: J4#7.3 U2#10.15
Board_11-/SCL: J1#3.18 R13#5.1 U2#10.19
Board_11-/SDA: J1#3.19 J1#3.20 R12#11.1 U2#10.18
Board_11-/SW1: SW1#10.1 U2#10.16
Board_11-/SW2: SW2#12.1 U2#10.17
Board_11-/SWCLK: J4#7.4 U2#10.8
Board_11-/SWDIO: J4#7.2 U2#10.7
Board_11-GND: BT1#7.2 C1#6.2 C2#12.2 C3#3.2 C4#7.2 C10#9.1 C11#3.1 C12#12.1 C13#3.1 J1#3.7 J1#3.8 J1#3.10 J1#3.12 J1#3.15 J1#3.16 J1#3.17 J1#3.21 J1#3.22 J1#3.23 J1#3.24 J1#3.25 J1#3.29 J1#3.30 J4#7.5 R4#7.2 R11#11.1 U2#10.4 U2#10.21 U101#10.2 U101#10.3 U101#10.8
Board_11-Net-(BT1-+): BT1#7.1 SW5#7.2
Board_11-Net-(J1-Pin_2): C9#7.2 J1#3.2
Board_11-Net-(J1-Pin_3): C9#7.1 J1#3.3
Board_11-Net-(J1-Pin_4): C8#2.2 J1#3.4
Board_11-Net-(J1-Pin_5): C8#2.1 J1#3.5
Board_11-Net-(J1-Pin_26): J1#3.26 R11#11.2
Board_11-Net-(J1-Pin_27): C12#12.2 J1#3.27
Board_11-Net-(J1-Pin_28): C13#3.2 J1#3.28
Board_11-Net-(SW5-A): C1#6.1 SW5#7.3 U101#10.1 U101#10.10
Board_11-Net-(U101-FB): R4#7.1 R6#6.2 U101#10.4
Board_11-Net-(U101-L1): L102.1 U101#10.9
Board_11-Net-(U101-L2): L102.2 U101#10.7
Board_11-unconnected-(J1-Pin_1-Pad1): J1#3.1
Board_11-unconnected-(J4-SWO-Pad6): J4#7.6
Board_11-unconnected-(SW5-C-Pad1): SW5#7.1
Board_11-unconnected-(U2-PA4-Pad20): U2#10.20
Board_11-unconnected-(U2-PA5-Pad1): U2#10.1
Board_11-unconnected-(U2-PA6-Pad2): U2#10.2
Board_11-unconnected-(U2-PA7-Pad3): U2#10.3
Board_11-unconnected-(U2-PB5-Pad9): U2#10.9
Board_11-unconnected-(U2-PB6-Pad10): U2#10.10
Board_11-unconnected-(U2-PB7-Pad11): U2#10.11
Board_11-unconnected-(U2-PF0/OSCIN-Pad13): U2#10.13
Board_11-unconnected-(U2-PF1/OSCOUT-Pad14): U2#10.14
Board_11-unconnected-(U2-PF4/BOOT0-Pad12): U2#10.12
Board_11-unconnected-(U101-PG-Pad5): U101#10.5

## Via types
v1: diameter 0.5, hole 0.3, Top to Bottom, 1236 vias

## Routing (per net, layer and track width the routed paths; a pad name or vN(x,y) marks a point on that pad's centre or on a via; arc(x,y) is an arc through that point)
Board_0-3V3: length 120.2
  Top w0.127: 27.88,143.54 C10#7.2 27.88,144.44 v1(28.37,144.93)
  Top w0.2: C2#11.1 8.1,137.55 8.69,136.96 10.42,136.96 v1(10.42,127.6) ; U2#5.6 22,135.95 22.4,136.35 C4#12.1 23.2,137.88 C3#9.1 23.22,139.08 22.6,139.7 ; 17.83,139.7 20.22,139.7 ; 17.83,139.7 12.05,139.7 10.42,138.08 10.42,136.65 ; 17.83,139.7 18.61,140.49 R13#3.2 ; 20.22,139.7 21.08,140.55 R12#6.2 ; 20.22,139.7 22.6,139.7 ; R101#3.2 23.25,140.43 v1(23.02,140.2) 23.02,140.12 22.6,139.7 ; R101#3.2 23.22,142.27 ; R101#3.2 23.97,142.29 24.45,142.77 24.45,143.44 24.92,143.91 C11#8.2 ; 27.88,143.54 27.79,143.63 ; C11#8.2 25.75,144.92 25.85,145.02 v1(25.85,145.33) ; C11#8.2 27.75,143.91 C10#7.2 ; C11#8.2 25.75,143.89
  Top w0.25: 8.08,138.58 C2#11.1 8.11,138.59 R6#4.1 8.09,140.18 U101#12.6
  Bottom w0.2: v1(10.42,127.6) 10.45,127.58 10.45,120.58 8.75,118.88 8.75,114.55 6.72,112.53 SW1.2 SW2#10.2 30.57,112.2 36.27,117.9 J4#12.1 ; J1#10.9 25.8,145.38 v1(25.85,145.33) ; v1(23.02,140.2) 23.25,140.43 23.25,143.95 23,144.2 J1#10.13 ; J1#10.6 27.9,145.4 v1(28.37,144.93)
Board_0-/BS1: length 4.5
  Top w0.2: R101#3.1 23.25,144.38 23.88,145 24.3,145 v1(24.38,145.08)
  Bottom w0.2: J1#10.11 24.4,145.45 24.38,145.43 v1(24.38,145.08)
Board_0-/OLED_RST: length 15.7
  Top w0.2: U2#5.5 v1(24.3,134.5)
  Bottom w0.2: v1(24.3,134.5) 24.3,136.95 22.3,138.95 J1#10.14
Board_0-/RST: length 29.5
  Top w0.2: v1(18.25,132.58) 18.57,132.9 U2#5.15
  Bottom w0.2: J4#12.3 35,119.72 34.01,118.73 30.96,118.73 30.11,119.58 30.11,126.06 27.64,128.53 21.39,128.53 18.25,131.67 v1(18.25,132.58)
Board_0-/SCL: length 19.8
  Top w0.127: v1(20.23,141.33) 20.15,141.41
  Top w0.152: v1(20.23,141.33) 20.23,142.09 20.34,142.21 20.34,143.98 20.27,144.06 v1(20.27,145.22)
  Top w0.2: U2#5.19 21.6,131.5 v1(22.19,130.91)
  Bottom w0.15: 20.2,141.45 20.22,141.43
  Bottom w0.2: v1(22.19,130.91) 20.23,132.87 v1(20.23,141.33) ; J1#10.18 19.5,145.99 v1(20.27,145.22)
